# KiCad board Mainboard.kicad_pcb (continued)
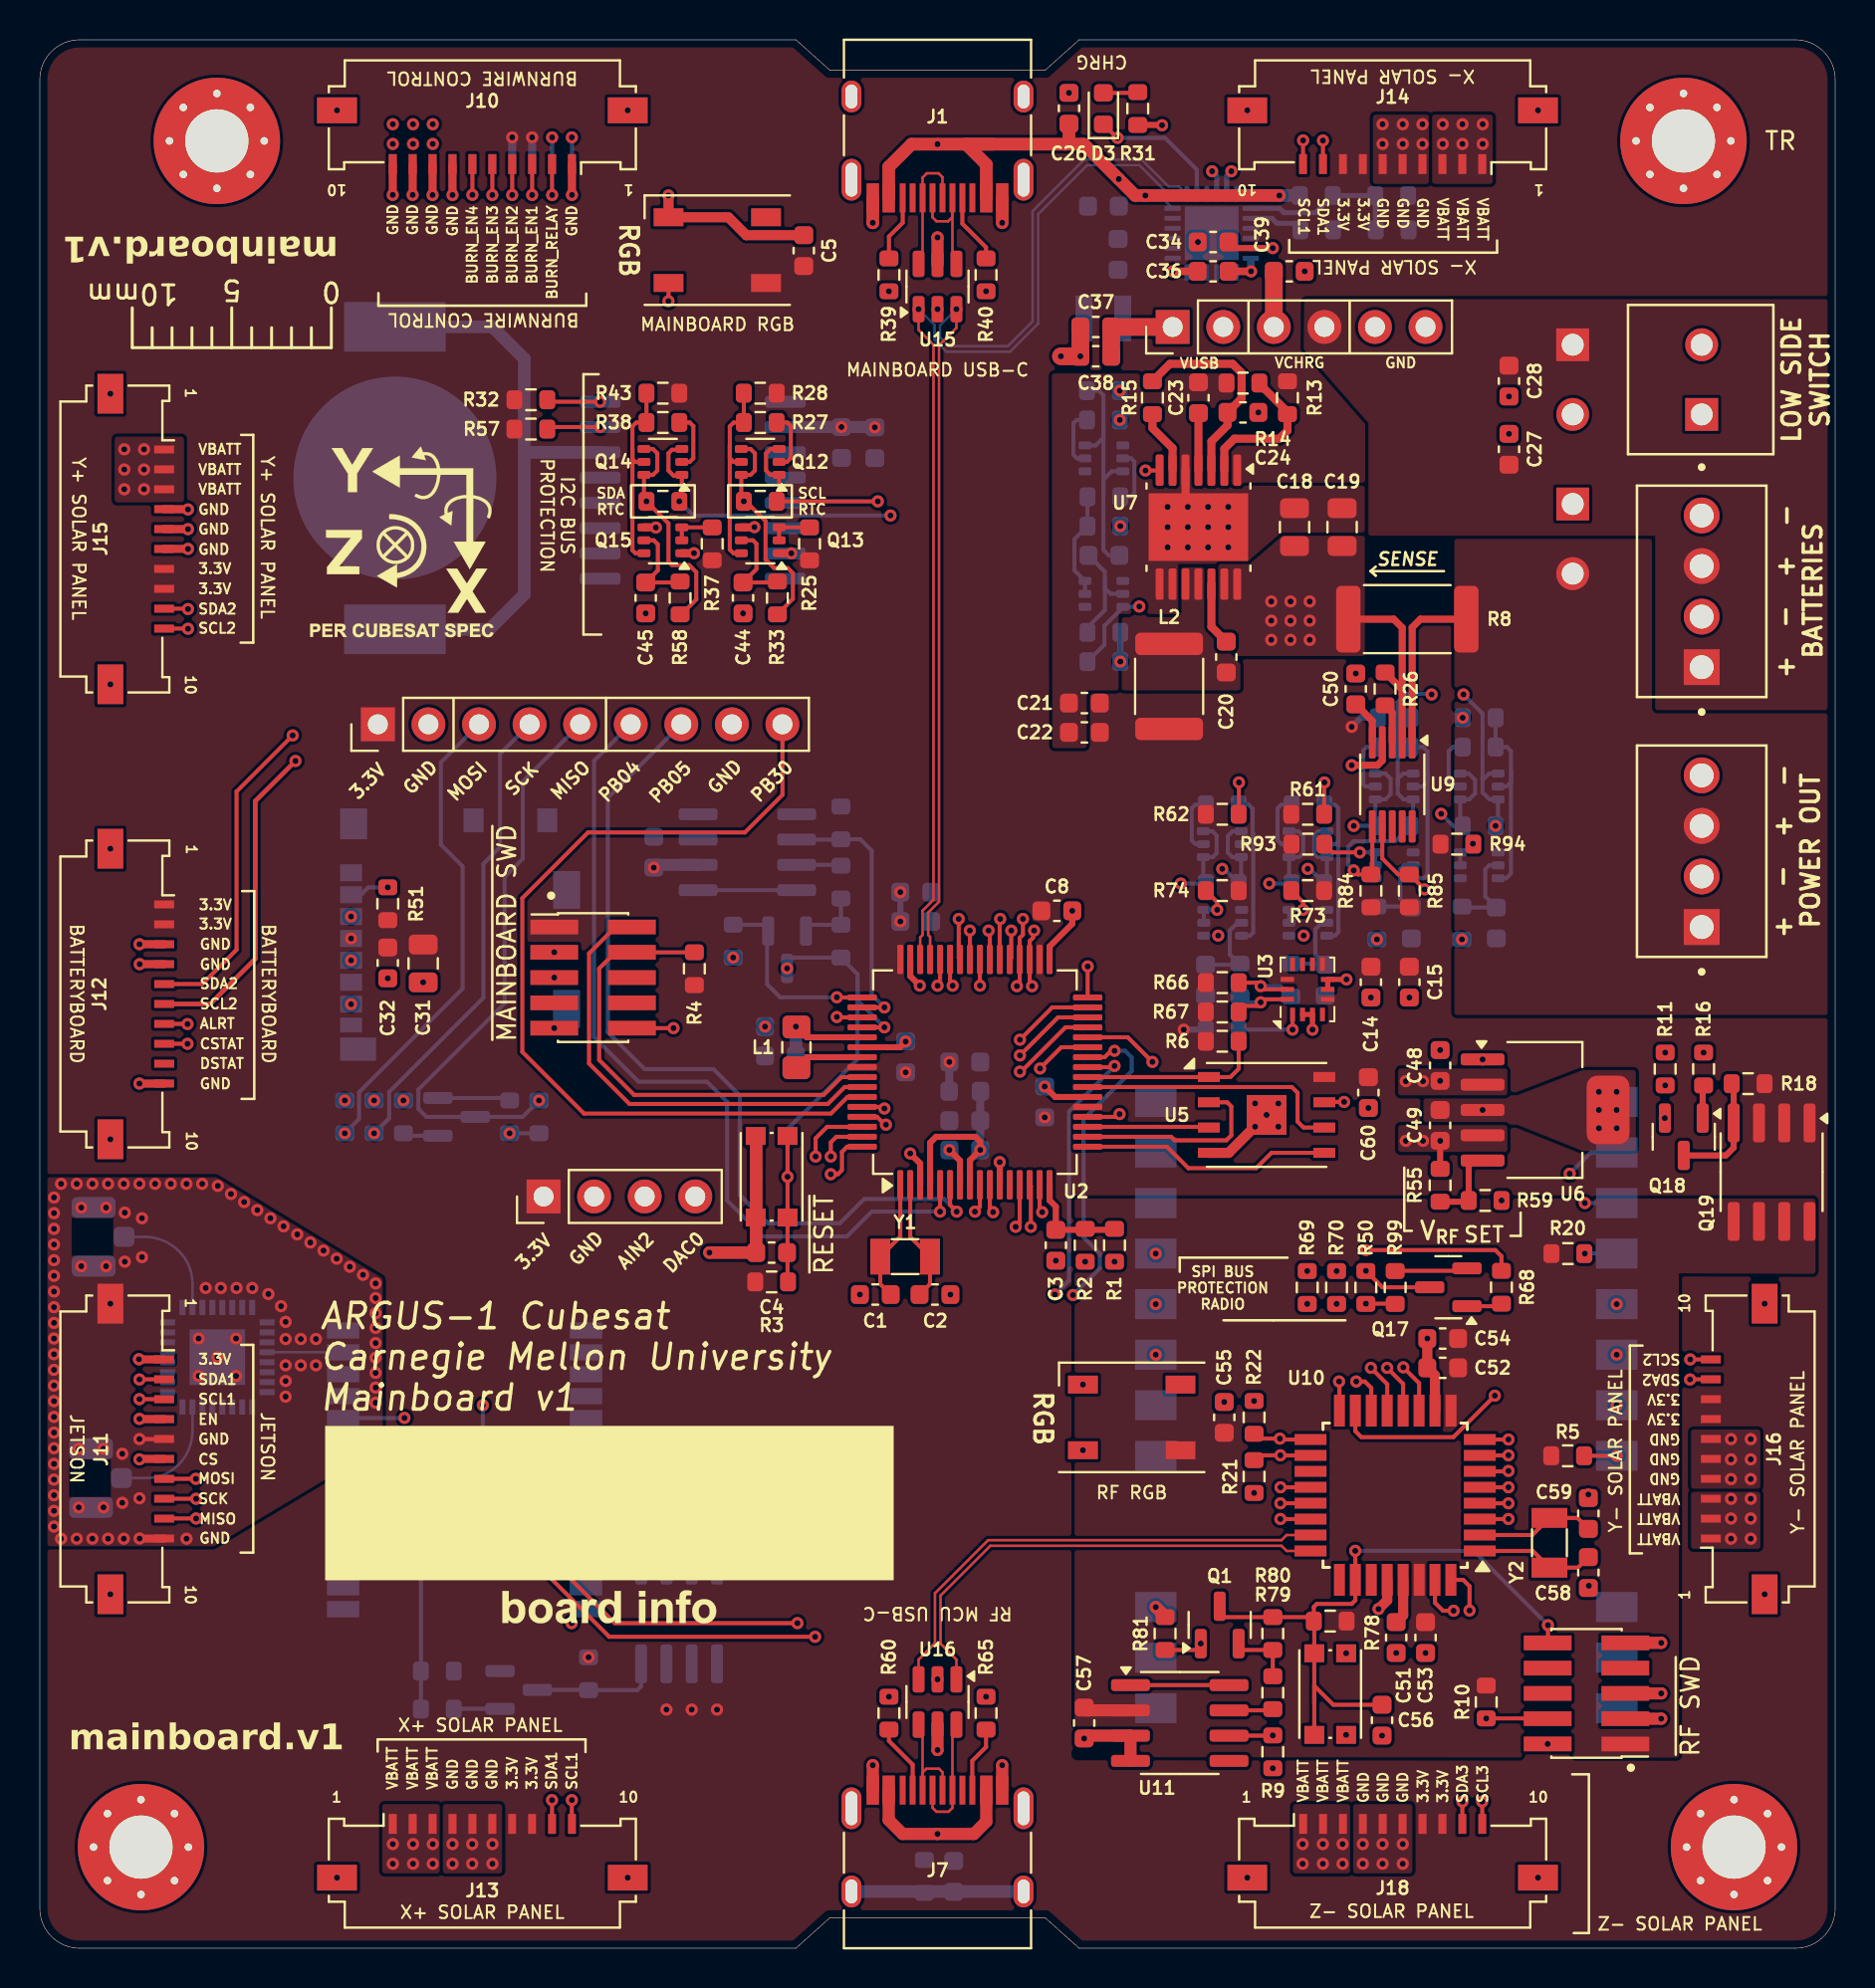
[diagram p0: board, top side]
## Routing (per net, layer and track width the routed paths; a pad name or vN(x,y) marks a point on that pad's centre or on a via; arc(x,y) is an arc through that point) (continued)
GPS_TX: length 25.9
  Top w0.203: U2.63 40.01,40.77 39.73,40.49 v1(39.73,39.78)
  Route2 w0.203: v1(39.73,39.78) 40.23,39.78 40.46,39.55 40.46,38.65 35.66,33.85 35.66,23.7 33.53,21.56 v1(31.69,21.56)
GPS_VDD: length 2.2
  Bottom w0.203: Q23.8 R24.2
IMU_SCL: length 15.9
  Top w0.203: U3.13 61.48,48.18 v1(61.32,48.34) 61.14,48.51 R66.2
  Route2 w0.203: v1(61.32,48.34) 61.32,51.87 v1(63.68,54.23)
  Bottom w0.203: R97.1 63.78,54.23 v1(63.68,54.23) ; Q4.4 64.23,56.12 64.01,55.91 64.01,54.99 64.18,54.82 Q4.6 64.64,53.62 ; v1(61.32,48.34) 62.31,48.34 R75.1
IMU_SDA: length 15.7
  Top w0.203: U3.14 61.47,47.68 v1(61.32,47.52) 61.14,47.35 60.52,47.35 R67.2
  Route2 w0.203: v1(61.32,47.52) 60.55,48.29 60.55,53.06 v1(59.39,54.23)
  Bottom w0.203: v1(61.32,47.52) 60.57,47.52 ; 60.34,53.62 Q6.6 59.88,54.82 59.66,55.04 59.66,55.88 59.91,56.12 Q6.4 ; v1(59.39,54.23) 59.47,54.23 R98.1
JETSON_CS: length 61.9
  Top w0.203: U2.10 47.71,37.15 v1(47.88,36.98) ; v1(5,24.56) 5.02,24.58
  Top w0.406: 5.02,24.58 J11.6
  Route2 w0.203: v1(5,24.56) 10.06,24.56 15.67,18.95 41,18.95 46.28,24.23 46.28,28.04 47.88,29.64 v1(47.88,36.98)
JETSON_EN: length 61.3
  Top w0.203: v1(46.96,37.01) 47.21,37.26 U2.9
  Top w0.305: v1(5,26.59) 5.02,26.58
  Top w0.406: 5.02,26.58 J11.4
  Route2 w0.203: v1(5,26.59) 5.89,25.7 9.86,25.7 15.95,19.61 40.77,19.61 45.62,24.46 45.62,28.37 46.96,29.72 v1(46.96,37.01)
JETSON_MISO: length 62.4
  Top w0.203: v1(7.85,21.59) 6.25,21.59 ; v1(50.34,36.98) 50.21,37.11 U2.15
  Route2 w0.203: v1(50.34,36.98) 50.35,36.97 50.35,29.27 48.13,27.05 48.13,23.34 41.81,17.02 14.78,17.02 10.21,21.59 v1(7.85,21.59)
JETSON_MOSI: length 60.6
  Top w0.203: U2.13 49.21,36.45 v1(49.01,36.25) ; v1(7.84,23.58) J11.7
  Route2 w0.203: v1(49.01,36.25) 49.01,29.81 46.94,27.74 46.94,23.98 41.25,18.29 15.39,18.29 10.1,23.58 v1(7.84,23.58)
JETSON_SCK: length 61.4
  Top w0.203: v1(49.77,36.25) 49.77,38.3 U2.14 ; v1(7.85,22.58) 6.25,22.58
  Route2 w0.203: v1(7.85,22.58) 10.21,22.58 15.11,17.68 41.55,17.68 47.52,23.65 47.52,27.41 49.77,29.66 v1(49.77,36.25)
MISO: length 87.7
  Top w0.203: v1(66.6,34.03) 67.43,33.21 Q17.3 ; U2.31 50.85,47.27 v1(49.23,45.65)
  Route2 w0.203: v1(49.23,45.65) 48.11,44.53 48.11,43.64 ; v1(66.6,34.03) 65.74,33.17 63.09,33.17 60.66,35.61 53.34,35.61 48.11,40.84 48.11,43.64 ; 48.11,43.64 47.22,42.75 25.22,42.75 v1(25.07,42.59)
  Bottom w0.203: 25.07,42.62 v1(25.07,42.59) 24.24,41.77 Q16.3 19.42,41.77 19.01,42.17 19.01,43.14 23.34,47.47 23.34,53.82 24.26,54.74 24.26,58.61 J19.5
MOSI: length 92.2
  Top w0.203: v1(49.23,44.04) 49.29,44.04 51.51,46.27 U2.29
  Route2 w0.203: v1(65.13,34.02) 62.37,36.78 53.77,36.78 49.23,41.33 v1(49.23,44.04) 50.57,45.39 50.57,46.46 50.24,46.79 48.44,46.79 46.61,44.96 46.61,44.12 46.47,43.98 44.89,43.98 44.02,44.86 42.9,44.86 42.06,44.02 24.38,44.02 22.15,41.78 16.16,41.78 v1(15.32,40.94)
  Bottom w0.203: v1(15.32,40.94) 16.03,41.66 16.03,43.01 21.23,48.21 21.23,54.36 20.14,55.45 20.14,59.58 J19.3
PB04: length 42.8
  Top w0.203: U2.5 45.21,37.01 v1(45.21,37.01)
  Bottom w0.203: v1(45.21,37.01) 41.78,37.01 40.54,35.76 36.32,35.76 34.52,37.57 34.52,42.52 33.5,43.54 30.07,43.54 27.84,45.77 27.84,59.65 J19.6
PB05: length 43.7
  Top w0.203: v1(46.05,37.01) 45.71,37.34 U2.6
  Bottom w0.203: v1(46.05,37.01) 45.42,37.64 41.4,37.64 40.18,36.42 36.58,36.42 35.15,37.85 35.15,42.85 33.83,44.17 30.38,44.17 28.52,46.02 28.52,57.8 J19.7
PB30: length 45.2
  Top w0.203: U2.59 40.56,42.77 39.73,41.94 27.33,41.94 24.23,45.03 24.23,52.76 27.53,56.06 35.41,56.06 37.3,57.95 J19.9
PWR_SCL: length 58.7
  Top w0.203: v1(65.99,54.15) 66.19,53.95 R84.2 ; U9.6 66.92,54.02
  Route2 w0.203: v1(59.84,89.28) 63.96,89.28 66.75,86.49 70.05,86.49 70.79,85.75 70.79,63.88 v1(69.9,62.99) ; v1(65.99,54.15) 65.99,51.85 v1(67.16,50.69)
  Bottom w0.203: Q8.4 68.47,59.02 68.2,58.75 68.2,58.47 ; v1(65.99,54.15) 65.71,54.43 65.71,55.35 65.98,55.62 68.07,55.62 R23.1 ; 68.97,56.51 Q8.6 68.49,57.72 68.2,58.01 68.2,58.47 ; v1(69.9,62.99) 69.88,63.02 68.61,63.02 68.19,62.6 68.19,59.88 68.2,59.88 68.2,58.47
  Bottom w0.254: v1(59.84,89.28) 59.61,89.05 U8.5
PWR_SDA: length 62.7
  Top w0.203: R85.2 68.23,53.95 67.42,54.75 U9.7 ; 68.8,53.95 v1(69.55,53.2)
  Route2 w0.203: v1(73.11,56.39) 73.11,54.88 71.42,53.19 ; 71.42,53.19 71.42,51.32 v1(69.55,53.2) ; 71.42,53.19 v1(71.42,50.69) ; v1(58.88,89.28) 59.61,90.02 64.21,90.02 67.06,87.17 70.38,87.17 71.5,86.06 v1(71.5,62.99)
  Bottom w0.203: v1(71.5,62.99) 72.46,62.03 72.46,61.36 72.47,61.35 72.47,60.83 72.46,60.82 72.46,58.85 ; 72.46,58.85 72.46,58.71 72.47,58.7 72.79,59.02 Q10.4 ; 72.46,58.85 72.46,58.07 72.81,57.72 Q10.6 73.24,56.51
  Bottom w0.254: v1(58.88,89.28) 59.11,89.05 U8.4
RF_3.3V: length 2.2
  Top w0.61: U11.2 52.59,11.95
RF_BUSY: length 21.9
  Top w0.203: v1(73.76,22.35) 72.33,22.35
  Route2 w0.203: v1(77.6,37.44) 78.36,36.68 78.36,29.97 76.35,27.97 75.13,27.97 73,25.83 73,22.68 73.33,22.35 v1(73.76,22.35)
  Bottom w0.203: v1(77.6,37.44) U12.14
RF_CS: length 9.2
  Top w0.203: R5.2 v1(79.2,24.74) ; v1(73.76,23.16) U10.5
  Route2 w0.203: v1(79.2,24.74) 75.34,24.74 v1(73.76,23.16)
RF_IO1: length 25.2
  Top w0.203: U10.15 66.07,25.98 66.37,25.68 70.99,25.68 v1(73.08,27.76)
  Route2 w0.203: v1(73.08,27.76) 74.65,29.34 75.72,29.34 76.84,30.45 v1(76.84,38.91)
  Bottom w0.203: U12.13 77.9,39.98 v1(76.84,38.91)
RF_IO2: length 14
  Top w0.203: 65.27,27.01 65.27,28.45 v1(65.25,28.47)
  Route2 w0.203: v1(65.25,28.47) 65.25,29.54 59.89,34.9 v1(56.05,34.9)
RF_MISO: length 17.3
  Top w0.203: v1(73.76,23.98) 73.74,23.96 U10.6
  Route2 w0.203: v1(79.2,32.36) 80.34,32.36 81.23,31.47 81.23,26.52 80.26,25.55 75.34,25.55 73.76,23.98 v1(73.76,23.98)
RF_MOSI: length 12.9
  Top w0.203: v1(73.76,24.77) 73.75,24.76 U10.7
  Route2 w0.203: v1(79.2,29.82) 80.01,29.82 80.39,29.44 80.39,26.87 79.88,26.37 75.36,26.37 v1(73.76,24.77)
RF_RST: length 20.2
  Top w0.203: v1(73.76,21.56) 73.76,21.56 U10.3
  Route2 w0.203: v1(77.6,34.9) 77.6,30.28 76,28.68 74.83,28.68 72.36,26.21 72.36,22.25 73.05,21.56 v1(73.76,21.56)
  Bottom w0.203: v1(77.6,34.9) U12.15
RF_RXEN: length 12.9
  Top w0.203: 61.24,24.77 v1(62.31,24.77) 62.31,24.76 U10.18
  Route2 w0.203: v1(56.05,29.82) 56.05,26.53 56.03,26.52 57.78,24.77 v1(62.31,24.77)
RF_SCK: length 7.6
  Top w0.203: v1(73.76,25.56) U10.8
  Route2 w0.203: v1(73.76,25.56) 75.48,27.28 v1(79.2,27.28)
RF_TXEN: length 14.1
  Top w0.203: U10.17 62.33,25.56 v1(62.28,25.6) ; 61.21,25.6 61.99,25.6
  Route2 w0.203: v1(62.28,25.6) 58.22,25.6 56.97,26.85 56.97,31.43 v1(56.05,32.36)
RF_VDD: length 1.4
  Top w0.305: R55.1 v1(70.33,40.56)
  vias: v1(68.61,40.56) v1(69.47,40.56)
RTC_SCL: length 25.4
  Top w0.203: 35.33,72.69 35.46,72.69 36.45,71.7 36.45,69.77 36.88,69.34 37.57,69.34 37.82,69.09 37.82,67.79 R33.1 ; Q12.4 35.7,75.33 35.92,75.11 35.92,74.24 35.7,74.03 Q12.6 35.23,72.82 ; R32.2 25.59,77.7 v1(28.14,77.7)
  Route2 w0.203: v1(28.14,77.7) 34.29,77.7 35.36,76.63 v1(35.36,72.69)
RTC_SDA: length 19.2
  Top w0.203: v1(28.14,76.43) 25.59,76.43 ; 32.22,67.02 32.97,67.77 32.97,69.14 32.61,69.49 31.75,69.49 31.57,69.67 31.57,71.59 v1(30.47,72.69) ; 30.34,72.77 Q14.6 30.8,74.03 31.01,74.24 31.01,75.11 30.8,75.33 Q14.4
  Route2 w0.203: v1(28.14,76.43) 29.44,76.43 30.47,75.4 v1(30.47,72.69)
SAMD21_SWC: length 11.4
  Top w0.203: v1(71.01,16.95) 70.47,16.95 70.07,17.35 U10.31 ; v1(72.64,11.54) 75.72,11.54
  Route2 w0.203: v1(71.01,16.95) 71.01,16.85 72.64,15.21 v1(72.64,11.54)
SAMD21_SWD: length 11.7
  Top w0.203: v1(71.81,16.97) 71.81,18.19 71.48,18.51 U10.32
  Route2 w0.203: v1(71.81,16.97) 73.3,15.47 73.3,10.79 73.84,10.26 v1(75.73,10.26)
SAMD21_WDT_EN: length 12
  Top w0.203: U10.21 62.31,22.36 v1(62.31,22.35) ; 58.31,14.98 R81.1
  Route2 w0.203: v1(58.31,15.3) 58.31,18.36 62.07,22.12 62.08,22.12 v1(62.31,22.35)
SAMD21_WDT_WDI: length 14.7
  Top w0.203: U11.6 61.91,10.68 ; U10.22 62.31,21.56 v1(62.31,21.56)
  Route2 w0.203: v1(61.93,10.69) 61.93,21.18 v1(62.31,21.56)
SCK: length 87.5
  Top w0.203: v1(49.23,44.86) 51.14,46.77 U2.30
  Route2 w0.203: v1(16.79,40.94) 22.27,40.94 24.71,43.38 46.91,43.38 47.24,43.71 47.24,44.75 48.74,46.25 49.81,46.25 49.99,46.08 49.99,45.62 v1(49.23,44.86) 48.67,44.3 48.67,41.12 53.57,36.22 61.46,36.22 v1(63.65,34.02)
  Bottom w0.203: J19.4 23.11,60.01 23.11,55.32 22.28,54.48 22.28,47.75 17.55,43.02 17.55,41.7 v1(16.79,40.94)
SCL1: length 185.9
  Top w0.203: v1(38.94,15.65) 28.6,15.65 24.08,20.17 v1(22.81,20.17) ; v1(5,27.58) 6.24,27.58 ; v1(26.72,7.44) 26.72,6.25 ; v1(53.97,45.09) 53.8,45.09 53.48,44.77 U2.26 ; J14.10 63.44,90.83 v1(63.45,90.83)
  Route2 w0.203: v1(5,27.58) 6.2,26.39 9.96,26.39 16.18,20.17 v1(22.81,20.17) ; v1(51.89,32.82) 51.66,32.59 51.66,28.68 49.45,26.47 49.45,22.76 42.34,15.65 v1(38.94,15.65) 31.47,15.65 26.59,10.77 26.59,7.57 v1(26.72,7.44) ; v1(53.97,45.09) 60.66,45.09 62.05,46.48 62.05,51.56 64.39,53.9 64.39,55.65 65.13,56.39 v1(65.99,56.39) ; v1(63.45,90.83) 64.11,91.49 64.69,91.49 67.69,88.49 71.07,88.49 72.95,86.61 72.95,58.62 70.71,56.39 v1(65.99,56.39) ; v1(65.99,56.39) 62.46,56.39 61.75,55.68 v1(61.75,53.49)
  Bottom w0.203: Q8.3 67.57,59.02 67.84,58.75 67.84,57.99 67.57,57.72 Q8.1 67.07,56.51 ; v1(53.97,45.09) 54.5,45.09 54.84,44.75 54.84,44.07 52.43,41.66 52.43,35.71 53.24,34.9 53.24,34.16 v1(51.89,32.82) ; R23.2 v1(65.99,56.39) ; 62.74,53.62 Q4.1 63.26,54.82 63.45,55.02 63.45,55.88 63.21,56.12 Q4.3 ; R97.2 v1(61.75,53.49)
SCL2: length 123.7
  Top w0.203: v1(7.44,66.29) 7.43,66.3 J15.10 ; v1(45.09,48.36) 45.21,48.49 U2.44 ; v1(82.89,29.58) J16.10
  Top w0.235: v1(12.84,59.65) 10.82,57.63 10.82,49.71 8.56,47.44 J12.6
  Route2 w0.203: v1(82.89,29.58) 82.56,29.58 81.79,30.35 81.79,31.67 79.3,34.16 79.3,37.69 77.32,39.67 76.2,39.67 75.56,39.04 54.64,39.04 52.25,41.43 52.25,47.83 50.95,49.12 48.9,49.12 48.41,48.64 48.41,47.65 47.57,46.81 45.72,46.81 45.09,47.45 v1(45.09,48.36) 45.09,49.1 44.37,49.81 41.17,49.81 33.05,57.94 14.55,57.94 v1(12.84,59.65) 11.38,61.11 11.38,65.3 10.24,66.45 7.59,66.45 v1(7.44,66.29)
SCL3: length 122.8
  Top w0.203: 37.13,72.82 Q12.1 36.69,74.03 36.47,74.24 36.47,75.11 36.69,75.33 Q12.3 ; v1(49.38,51.71) 49.38,50.92 49.21,50.76 U2.36 49.21,48.48 v1(49.07,48.34) ; R45.2 v1(42.09,72.69) ; v1(72.44,7.37) 72.44,7.36 J18.10
  Route2 w0.203: v1(26.72,90.98) 26.72,89.41 29.18,86.94 32.82,86.94 40.82,78.94 40.82,76.2 40.82,76.2 40.82,75.95 42.09,74.68 v1(42.09,72.69) 42.09,60.3 49.38,53.01 v1(49.38,51.71) ; v1(49.07,48.34) 49.07,47.93 49.4,47.6 50.47,47.6 51.13,46.94 51.13,41.05 54.25,37.92 64.74,37.92 69.13,33.54 69.13,16.88 71.22,14.78 71.22,10.82 72.44,9.6 v1(72.44,7.37)
  Bottom w0.203: J17.10 26.73,90.98 v1(26.72,90.98)
SD_CS: length 37.8
  Top w0.203: U2.51 40.05,46.77 v1(40.03,46.79)
  Route2 w0.203: v1(17.48,53.3) 18.26,52.51 v1(18.26,42.59) 21.92,42.59 23.95,44.63 37.87,44.63 v1(40.03,46.79)
  Bottom w0.203: J8.2 16.13,52.93 16.5,53.3 v1(17.48,53.3)
SD_MISO: length 18.4
  Route2 w0.203: v1(15.63,47.43) 15.63,44.18 14.35,42.9 14.35,40.89 15.01,40.23 22.89,40.23 v1(23.6,40.94)
  Bottom w0.203: R54.1 v1(23.6,40.94)
SD_MOSI: length 10.5
  Route2 w0.203: v1(15.32,42.59) 16.23,43.51 16.23,47.96 14.81,49.38 14.81,51.01 v1(15.63,51.83)
SD_SCK: length 7.5
  Route2 w0.203: v1(16.79,42.59) 16.79,48.47 v1(15.63,49.63)
SDA1: length 176.1
  Top w0.203: v1(64.44,90.83) J14.9 ; v1(22.81,20.92) 24.3,20.92 28.88,16.33 v1(38.05,16.33) ; v1(5,28.57) 5.01,28.58 J11.2 ; v1(25.73,7.44) J13.9 ; U2.25 53.92,44.27 v1(53.97,44.33)
  Route2 w0.203: v1(64.44,90.83) 67.41,87.86 70.71,87.86 72.24,86.33 72.24,58.85 v1(70.38,57) 58.6,57 57.3,55.7 v1(57.3,53.49) 57.3,47.12 56.13,45.95 53.77,45.95 53.34,45.52 53.34,44.63 53.64,44.33 v1(53.97,44.33) ; v1(50.98,32.84) 50.98,28.98 48.77,26.77 48.77,23.05 42.05,16.33 v1(38.05,16.33) 31.22,16.33 25.88,11 25.88,7.6 v1(25.73,7.44) ; v1(22.81,20.92) 16.42,20.92 10.29,27.05 6.53,27.05 v1(5,28.57)
  Bottom w0.203: R44.2 70.99,56.39 v1(70.38,57) ; 71.34,56.51 Q10.1 71.79,57.72 72.09,58.01 72.09,58.7 71.77,59.02 Q10.3 ; v1(53.97,44.33) 51.69,42.04 51.69,33.55 v1(50.98,32.84) ; 58.44,53.62 Q6.1 58.91,54.82 59.11,55.02 59.11,55.91 58.89,56.12 Q6.3 ; v1(57.3,53.49) R98.2
SDA2: length 127.2
  Top w0.203: v1(45.85,48.36) 45.71,48.49 U2.43 ; J16.9 82.89,28.58 v1(82.88,28.57) ; J12.5 8.16,48.44 9.88,50.16 9.88,58.12 v1(12.7,60.93) ; v1(7.44,67.28) 7.42,67.3 J15.9
  Route2 w0.203: v1(82.88,28.57) 83.49,28.57 83.92,29.01 83.92,29.97 83.41,30.48 82.52,30.48 82.35,30.66 82.35,31.93 79.88,34.39 79.88,37.97 77.6,40.26 75.97,40.26 75.31,39.6 54.84,39.6 52.81,41.63 52.81,48.11 51.21,49.71 48.62,49.71 47.88,48.97 47.88,47.93 47.32,47.37 46.08,47.37 45.85,47.6 v1(45.85,48.36) 45.85,49.35 44.68,50.52 41.38,50.52 33.32,58.57 15.06,58.57 v1(12.7,60.93) 12.04,61.59 12.04,65.63 10.54,67.13 7.59,67.13 v1(7.44,67.28)
SDA3: length 134.8
  Top w0.203: 32.24,72.77 32.24,73.99 31.83,73.99 31.57,74.24 31.57,75.11 31.75,75.29 32.24,75.29 ; v1(49.83,48.34) 49.71,48.46 U2.35 49.71,50.6 49.89,50.77 49.89,51.08 v1(49.94,51.13) ; v1(71.45,7.37) 71.44,7.36 J18.9
  Route2 w0.203: v1(49.83,48.34) 50.75,48.34 51.66,47.42 51.66,41.22 54.41,38.48 65.1,38.48 69.77,33.81 69.77,31.67 70.33,31.11 70.33,30.28 69.7,29.64 69.7,17.23 71.93,15 71.93,11.15 73.3,9.78 73.3,6.91 72.9,6.5 71.81,6.5 71.45,6.86 v1(71.45,7.37) ; v1(49.94,51.13) 49.94,53.24 42.72,60.45 v1(42.72,71.98) 42.72,74.75 41.38,76.1 41.38,79.14 33.05,87.48 29.46,87.48 27.51,89.43 27.51,91.24 27.05,91.69 26.44,91.69 v1(25.73,90.98)
  Bottom w0.203: v1(32.12,72.69) 32.83,71.98 v1(42.72,71.98) ; J17.9 25.73,90.98 v1(25.73,90.98)
STAT: length 6.9
  Top w0.203: v1(54.13,90.96) 54.1,90.96 D3.1
  Bottom w0.203: U8.2 58.11,89.37 56.52,90.96 v1(54.13,90.96)
SWCLK: length 23.2
  Top w0.203: U2.57 40.26,43.77 39.37,42.88 29.84,42.88 28.09,44.63 28.09,49.22 28.91,50.04 ; J9.4 R4.2
SWDIO: length 22.3
  Top w0.203: 28.91,51.31 27.58,49.98 27.58,44.45 29.62,42.42 39.57,42.42 40.42,43.27 U2.58
TS: length 8.4
  Bottom w0.254: 67.07,86.36 R35.2 R34.2 64.07,87.2 62.48,87.2 62.27,87.41 U8.7
UHF_CS: length 41.9
  Top w0.203: R68.2 73.41,34.77 73.1,35.08 v1(66.6,35.08) ; v1(50.24,44.2) 51.3,45.27 U2.27 ; v1(68.48,29.18) 69.27,28.39 69.27,27.01
  Route2 w0.203: v1(68.48,29.18) 68.48,33.2 v1(66.6,35.08) 64.31,37.36 54.05,37.36 50.4,41.01 50.4,41.02 49.86,41.56 49.86,43.83 v1(50.24,44.2)
UHF_EN: length 31.8
  Top w0.203: v1(55.88,44.53) 54.64,45.77 U2.28
  Route2 w0.203: v1(83.56,45) v1(81.63,45) 72.81,45 v1(72.46,44.66) 72.18,44.37 56.04,44.37 v1(55.88,44.53)
UHF_MISO: length 7.6
  Top w0.203: v1(67.67,29.16) 68.47,28.35 U10.12 ; v1(66.6,32.38) 68.07,32.38
  Route2 w0.203: v1(66.6,32.38) 67.67,31.32 v1(67.67,29.16)
UHF_MOSI: length 6.4
  Top w0.203: v1(66.85,29.16) 67.67,28.34 U10.13
  Route2 w0.203: v1(66.85,29.16) 66.85,30.65 v1(65.13,32.37)
UHF_SCK: length 6.9
  Top w0.203: v1(66.12,28.47) 66.55,28.47 66.87,28.15 U10.14
  Route2 w0.203: v1(66.12,28.47) 66.12,29.91 v1(63.65,32.37)
USB_D1+: length 55.6
  Top w0.128: v1(44.14,82.35) 44.14,81.31 44.88,80.56 44.88,52.68 44.34,52.13 44.34,50.91 44.21,50.79 U2.46
  Bottom w0.128: v1(44.14,82.35) 44.93,81.55 44.93,80.81 45.53,80.21 48.73,80.21 50.14,81.62 50.14,87.12 52.6,89.59 55.22,89.59 56.46,88.35 56.46,87.85 U8.24
USB_D1-: length 55.5
  Top w0.128: v1(46.03,82.35) 46.03,81.41 45.16,80.54 45.16,52.58 44.62,52.03 44.62,50.91 44.71,50.81 U2.45
  Bottom w0.128: U8.1 57.21,88.52 56.68,88.52 55.34,89.87 52.45,89.87 49.86,87.27 49.86,81.74 48.62,80.49 45.64,80.49 45.21,80.92 45.21,81.53 v1(46.03,82.35)
USB_D2+: length 24.3
  Top w0.128: U10.24 62.62,19.96 62.36,20.22 47.74,20.22 45.24,17.72 45.24,15.3 46.03,14.5 U16.1
USB_D2-: length 24.7
  Top w0.128: U16.3 44.14,14.5 44.96,15.32 44.96,17.83 47.62,20.5 62.36,20.5 62.62,20.76 U10.23
VSYS: length 35.5
  Top w0.356: R26.1 68.42,63.24 68.42,62.99 ; 68.42,62.99 U9.2 ; 68.42,62.99 68.42,66.35 68,66.78 R8.1
  Route2 w0.305: 54.27,70.87 54.27,74.87 55.6,76.2 55.6,77.72 55.07,78.26 v1(54.24,78.26) ; 54.27,70.87 54.27,66.95 ; 54.27,70.87 v1(54.27,71.45) ; 54.27,66.95 55.49,65.74 v1(61.85,65.74) ; 54.27,66.95 v1(54.27,64.64)
  Bottom w0.305: R47.1 v1(54.27,64.64)
  vias: v1(61.85,67.67) v1(61.85,66.7) v1(62.81,67.67) v1(62.81,66.7) v1(62.81,65.74) v1(63.78,67.67) v1(63.78,66.7) v1(63.78,65.74) v1(68.61,43.56) v1(69.47,43.56) v1(70.33,43.58)
WDT_EN: length 9.4
  Top w0.203: v1(40.03,47.78) 40.04,47.77 U2.49
  Bottom w0.203: 36.53,51.05 36.53,48.44 37.19,47.78 v1(40.03,47.78) ; R90.1 36.56,51.42
WDT_WDI: length 13.3
  Top w0.203: v1(42.42,47.27) U2.50
  Bottom w0.203: U1.6 40.22,55.7 ; v1(42.42,47.27) 41.78,47.9 41.78,55.14 41.21,55.72 R7.1
~{RESET}: length 35.8
  Top w0.203: SW1.1 v1(37.55,38.76) 37.55,33.5 ; v1(42.42,46.27) U2.52 ; J9.10 v1(31.83,46.23)
  Route2 w0.203: v1(31.83,46.23) 34.53,46.23 v1(37.53,49.23)
  Bottom w0.203: v1(37.55,38.76) 37.55,41.16 41.07,44.68 41.07,48.56 ; 37.55,49.77 R89.1 41.07,48.93 41.07,48.56 ; v1(42.42,46.27) 41.07,47.61 41.07,48.56
~{SAMD21_RST}: length 32.4
  Top w0.203: 63.78,16.63 R80.1 59.31,16.63 ; 64.01,12.29 64.01,13.18 64.96,12.23 C56.2 ; 64.01,12.29 64.01,16.41 R78.2 63.98,17.15 64.14,17.3 65.89,17.3 66.07,17.48 U10.26 66.07,19.96 v1(66.07,19.96) ; 64.01,12.29 SW2.1 ; v1(75.74,16.23) 75.74,15.36
  Bottom w0.203: v1(66.07,19.96) 72.01,19.96 v1(75.74,16.23)
Net-(BT1-+): length 30
  Bottom w0.635: 24.33,75.18 24.36,75.16 U4.14 ; 24.33,75.18 24.33,68.02 22.58,66.26 BT1.1 ; 24.33,75.18 24.33,79.86 22.73,81.46 BT1.1
Net-(D3-A): length 1.7
  Top w0.203: D3.2 55.11,93.22
Net-(J1-CC1): length 3.5
  Top w0.203: R40.2 47.52,85.46 46.34,86.65 J1.A5
Net-(J1-CC2): length 3.3
  Top w0.203: J1.B5 43.34,86.69 42.65,86 R39.2
Net-(J5-Pin_2): length 4.5
  Route15 w1.651: J6.1 J5.2
Net-(J7-CC1): length 3.5
  Top w0.203: 42.65,10.99 42.65,10.41 43.84,9.23 J7.A5
Net-(J7-CC2): length 3.3
  Top w0.203: 47.52,10.99 47.52,10.11 46.84,9.42 J7.B5
Net-(J7-SHIELD): length 8.6
  Bottom w0.635: J7.S1 J7.S1
Net-(J21-Pin_1): length 4.6
  Top w0.889: J21.1 C37.2 C38.2
Net-(J21-Pin_3): length 2.8
  Top w0.889: C39.2 J21.3
Net-(J22-In): length 6.1
  Bottom w0.13: J22.1 5.36,23.62 arc(6.23,23.79) 6.96,24.28 arc(7.48,25.06) 7.67,25.98 U14.15
Net-(J23-In): length 6
  Bottom w0.13: U14.26 7.67,33.39 arc(7.49,34.27) 6.99,35.02 arc(6.19,35.56) 5.25,35.74 J23.1
Net-(Q1-S): length 3
  Top w0.203: R79.1 R80.2 60.21,14.98
Net-(Q2A-B1): length 5.4
  Bottom w0.203: R77.2 R30.2 51.96,70.8 51.96,69.23 Q2.3 Q2.2
Net-(Q2B-B2): length 5.7
  Bottom w0.203: 52.62,66.36 53.49,67.23 53.49,68.73 ; 53.49,68.73 53.49,68.33 53.77,68.05 Q2.5 ; 53.49,68.73 53.49,69.15 C25.2
Net-(Q3A-B1): length 3
  Bottom w0.203: Q3.2 54.81,74.85 54.97,74.7 54.97,73.11 54.79,72.92 R77.1
Net-(Q3A-C1): length 13.2
  Bottom w0.203: R49.2 53.19,78.26 53.42,78.03 53.42,76.48 ; 53.42,76.48 53.42,75.89 53.02,75.5 Q3.6 ; 53.42,76.48 53.42,76.48 53.42,72.97 ; 53.42,72.97 53.42,73.79 53.83,74.2 Q3.3 ; 53.42,72.97 53.42,70.26 53.7,69.98 C25.1
Net-(Q3B-B2): length 3
  Bottom w0.203: R52.1 52.07,76.78 51.91,76.63 51.91,75.04 52.1,74.85 Q3.5
Net-(Q4A-B1): length 3
  Bottom w0.203: Q4.2 62.36,55.47 62.16,55.67 62.16,57.26 62.36,57.45 R71.1
Net-(Q4B-B2): length 11.5
  Top w0.203: R61.2 64.5,58.56 v1(64.52,58.57)
  Bottom w0.203: v1(64.52,58.57) 64.51,58.57 R71.2 65.05,57.45 65.22,57.29 65.22,56.06 ; Q5.6 65.05,50.87 65.22,51.05 65.22,56.06 ; 65.22,56.06 65.22,55.59 65.1,55.47 Q4.5
Net-(Q5A-G2): length 2.6
  Top w0.203: v1(63.45,52.17) 63.45,52.54 R73.2
  Bottom w0.203: v1(63.45,52.17) 63.45,52.17 Q5.3 Q5.2
Net-(Q5B-G1): length 4.4
  Bottom w0.203: Q5.5 64.39,51.52 64.06,51.19 64.06,49.91 C40.1 ; R75.2 64.5,49.47
Net-(Q6A-B1): length 3.1
  Bottom w0.203: Q6.2 58.04,55.47 57.86,55.66 57.86,57.27 58.04,57.45 R72.1
Net-(Q6B-B2): length 11.4
  Top w0.203: v1(60.22,58.57) 60.22,56.99
  Bottom w0.203: 60.91,56.03 60.94,56.01 60.94,51.03 60.78,50.87 Q7.6 ; 60.91,56.03 60.91,57.25 60.71,57.45 R72.2 60.21,58.56 v1(60.22,58.57) ; 60.91,56.03 60.91,55.68 60.71,55.47 Q6.5
Net-(Q7A-G2): length 2.5
  Top w0.203: v1(59.13,52.17) 59.13,52.57 R74.2
  Bottom w0.203: v1(59.13,52.17) 59.13,52.17 Q7.3 Q7.2
Net-(Q7B-G1): length 4.2
  Bottom w0.203: 58.6,49.42 60.27,49.42 59.77,49.92 59.77,51.13 60.16,51.52
Net-(Q8A-B1): length 3.1
  Bottom w0.203: Q8.2 66.57,58.37 66.47,58.47 66.47,60.19 66.64,60.35 R86.1
Net-(Q8B-B2): length 10.6
  Bottom w0.203: 69.7,58.98 69.7,58.6 69.47,58.37 Q8.5 ; 69.7,58.98 69.7,60.12 69.47,60.35 R86.2 R82.2 ; 69.7,58.98 69.7,53.95 69.5,53.76 Q9.6
Net-(Q9A-G2): length 3.4
  Top w0.203: v1(66.29,55.06) 64.93,55.06 R93.2
  Bottom w0.203: Q9.2 Q9.3 v1(66.29,55.06)
Net-(Q9B-G1): length 4.5
  Bottom w0.203: Q9.5 68.5,54.41 68.33,54.23 68.33,52.73 68.77,52.29 ; R95.2 68.83,52.34
Net-(Q10A-B1): length 3
  Bottom w0.203: Q10.2 70.94,58.37 70.76,58.55 70.76,60.14 70.97,60.35 R87.1
Net-(Q10B-B2): length 10.5
  Bottom w0.203: Q10.5 73.66,58.37 73.89,58.6 73.89,59.13 ; Q11.6 73.65,53.76 73.89,54 73.89,59.13 ; 73.89,59.13 73.89,60.15 73.69,60.35 R87.2 R83.2
Net-(Q11A-G2): length 1.3
  Bottom w0.203: Q11.3 Q11.2 ; 71.54,55.06 v1(71.98,55.49)
Net-(Q11B-G1): length 4.6
  Bottom w0.203: 71.47,52.29 C43.1 72.59,52.84 72.59,54.2 72.8,54.41 Q11.5
Net-(Q12A-B1): length 3.1
  Top w0.203: R27.1 37.54,76.66 37.72,76.48 37.72,74.88 37.52,74.68 Q12.2
Net-(Q12B-B2): length 10.4
  Top w0.203: Q12.5 34.85,74.68 34.65,74.87 34.65,75.49 ; 34.65,75.49 34.65,76.46 34.85,76.66 R27.2 R28.2 ; 34.65,75.49 34.65,70.27 34.84,70.09 Q13.6
Net-(Q13A-G2): length 2.2
  Top w0.203: Q13.2 Q13.3 38.66,71.39
Net-(Q13B-G1): length 4.7
  Top w0.203: 37,68.62 C44.1 35.99,69.29 35.99,70.56 35.81,70.74 Q13.5
Net-(Q14A-B1): length 3.1
  Top w0.203: R38.1 32.64,76.66 32.82,76.47 32.82,74.86 32.64,74.68 Q14.2
Net-(Q14B-B2): length 10.3
  Top w0.203: 29.76,75.34 29.76,74.81 29.9,74.68 Q14.5 ; 29.76,75.34 29.76,76.46 29.96,76.66 R38.2 R43.2 ; 29.76,75.34 29.76,70.24 29.91,70.09 Q15.6
Net-(Q15A-G2): length 2.2
  Top w0.203: 33.77,71.39 Q15.3 Q15.2
Net-(Q15B-G1): length 4.6
  Top w0.203: Q15.5 30.84,70.74 31.04,70.54 31.04,69.23 C45.1 32.11,68.62
Net-(Q16-B): length 1.6
  Bottom w0.203: Q16.1 18.39,40.82
Net-(Q16-E): length 3.5
  Bottom w0.203: Q16.2 23.47,42.72
Net-(Q17-B): length 1.6
  Top w0.203: Q17.1 73.28,32.26
Net-(Q17-E): length 3.5
  Top w0.203: 68.07,34.03 71.55,34.03
Net-(Q18-D): length 5.8
  Top w0.305: 82.59,39.83 84.68,39.83 85.07,40.22 Q19.4 85.07,43.34
Net-(Q18-G): length 1.7
  Top w0.203: 83.52,43.3 R16.2
  Top w0.305: Q18.1 83.52,43.3
Net-(Q21-S): length 3.1
  Bottom w0.203: R42.1 R89.2 38.49,51.42
Net-(Q22-D): length 6.4
  Bottom w0.203: Q22.3 27.55,12.98 ; Q23.4 30.2,13.16 30.01,12.97 R19.2
Net-(Q22-G): length 2.3
  Bottom w0.203: Q22.1 20.8,12.03
Net-(U1-~{MR}): length 4.9
  Bottom w0.203: U1.1 U1.8
Net-(U1-~{RESET}): length 2.2
  Bottom w0.203: U1.7 40.19,54.43
Net-(U2-PA07): length 5
  Top w0.305: 53.62,36.09 C3.1 51.03,37.26 50.71,37.58 U2.16
Net-(U2-VDDCORE): length 5
  Top w0.305: 37.98,46.3 38.52,45.77 U2.53
  Bottom w0.635: v1(37.97,46.3) C11.2
Net-(U2-VSW): length 3.5
  Top w0.305: L1.2 38.53,44.77 U2.55
Net-(U3-SDO): length 3.5
  Top w0.203: v1(62.92,46.15) 62.92,46.91
  Bottom w0.203: R41.2 v1(62.92,46.15)
Net-(U6-SENSE/ADJ): length 3.4
  Top w0.305: R59.1 71.76,39.58 ; R55.2 71.7,37.51
Net-(U7-PG): length 3.2
  Top w0.406: U7.6 56.89,75.37 55.88,76.38 R15.2
Net-(U7-SS): length 2.9
  Top w0.406: U7.4 C23.2
Net-(U7-VBST): length 3.2
  Top w0.406: U7.12 58.84,66.39 C20.2
Net-(U7-VFB): length 7.4
  Top w0.406: U7.2 59.49,75.34 59.99,75.84 62.26,75.84 62.66,76.25 R13.1 ; 62.66,77.19 61.25,78.6
Net-(U7-VREG5): length 10.5
  Top w0.406: U7.3 58.84,75.71 59.65,76.52 C24.1 60.36,77.87 60.36,79.15 59.9,79.6 56.76,79.6 R15.1
Net-(U8-BTST): length 1.7
  Top w0.381: C36.2 v1(60.83,84.25)
  Bottom w0.381: v1(60.83,84.25) 60.83,84.84
Net-(U8-ILIM): length 2.7
  Bottom w0.254: 63.31,86.33 62.98,86.66 62.13,86.66 61.88,86.91 U8.8
Net-(U8-SW_1): length 1.3
  Top w0.381: v1(56.9,84.25) C36.1
Net-(U9-ON): length 2
  Top w0.356: U9.3 67.92,62.09 R26.2
Net-(U9-TIMER): length 2.3
  Top w0.356: U9.5 66.92,61.66 C50.2
Net-(U10-PA00): length 6
  Top w0.203: C58.1 77.25,19.12 Y2.1 74.98,19.96 U10.1
Net-(U10-PA01): length 6
  Top w0.203: U10.2 74.96,20.76 Y2.2 77.22,21.62 C59.1
Net-(U10-VDDCORE): length 2.3
  Top w0.508: C51.1 68.47,16.73 U10.29
Net-(U11-~{MR}): length 5
  Top w0.203: U11.8 U11.1
Net-(U11-~{RESET}): length 2.1
  Top w0.203: U11.7 61.86,11.95
Net-(U13-RSTN): length 21.9
  Route2 w0.203: v1(18.31,26.64) 33.25,26.64 34.06,25.83 v1(34.06,24.31)
  Bottom w0.203: R24.1 34.01,24.26 v1(34.06,24.31) ; v1(18.31,26.64) 18.31,26.64 U13.8
Net-(U13-RXD): length 3.1
  Bottom w0.203: U13.21 28.44,20.34 29.67,21.56 R91.2
Net-(U13-TXD): length 3.3
  Bottom w0.203: U13.20 28.43,21.44 R88.2

## Copper pours and planes (outline as drawn; the poured copper is in the pictures)
3.3V on Top: -0.63,96.65 90.81,96.65 90.81,-0.64 -0.63,-0.64
3.3V on Bottom: 31.01,15.42 34.47,15.42 34.47,11.48 31.01,11.48
GND on Top: 66.95,88.65 66.95,92.13 69.93,92.13 69.93,88.65
GND on Top: 66.55,70.97 62.41,70.97 60.76,69.55 57.18,69.55 57.18,67.03 54.18,67.03 54.18,63.2 52.58,63.2 52.58,60.3 50.85,60.3 50.83,79.12 59.94,79.12 59.94,73.48 66.55,73.48
GND on Top: 74.19,41.38 69.49,41.38 69.49,42.85 74.19,42.85 77.49,44.12 80.16,44.12 80.16,40.06 77.49,40.06
GND on Top: 23.22,7.24 23.22,3.76 20.24,3.76 20.24,7.24
GND on Top: 68.94,7.24 68.94,3.76 65.96,3.76 65.96,7.24
GND on Top: 82.93,26.06 86.41,26.06 86.41,23.09 82.93,23.09
GND on Top, Route15: -0.13,38.73 8.86,38.73 17.22,33.66 17.22,25.27 8.74,20.19 -0.13,20.19
GND on Bottom, Route2: -1.14,97.03 91.31,97.03 91.31,-1.14 -1.14,-1.14
GNDREF on Bottom: 80.65,62.99 64.39,79.38 42.55,79.38 37.97,83.92 37.97,96.14 90.3,96.14 90.3,62.99
VBATT on Top: 82.93,23.09 86.41,23.09 86.41,20.07 82.93,20.07
VBATT on Top: 71.04,70.97 81.13,70.97 81.13,62.2 90.81,62.2 90.81,46.89 71.04,46.89
VBATT on Top: 7.24,72.64 3.76,72.64 3.76,75.95 7.24,75.95
VBATT on Top: 69.93,88.65 69.93,92.13 72.97,92.13 72.97,88.65
VBATT on Top: 20.24,7.24 20.24,3.76 17.2,3.76 17.2,7.24
VBATT on Top: 65.96,7.24 65.96,3.76 62.94,3.76 62.94,7.24
VBATT on Bottom: 20.4,88.65 20.4,92.13 17.09,92.13 17.09,88.65
VBATT on Route15: -1.27,97.16 91.44,97.16 91.44,-1.27 -1.27,-1.27
VBUS1 on Bottom: 57.3,87.12 56.52,87.12 56.29,87.35 56.29,88.32 55.04,89.43 53.29,89.43 53.29,87.15 53.7,86.74 57.3,86.74
GPS_VDD on Bottom: 26.62,19.66 34.65,19.66 34.65,17.73 26.62,17.73
RF_3.3V on Top: 89.18,37.67 51.97,37.67 51.97,9.6 82.32,9.58 82.32,33.91 89.18,33.88
RF_VDD on Top: 73.71,41.35 73.71,40.01 68.22,40.01 68.22,41.35
RF_VDD on Bottom: 54.99,40.74 54.99,36.68 71.02,36.68 71.02,41.4 67.94,41.4 67.94,40.74
VCHRG on Top: 90.81,62.2 81.13,62.2 81.13,70.97 66.73,70.97 66.73,76.63 63.47,80.34 63.5,82.85 90.83,82.85
VSYS on Top: 59.18,69.55 60.76,69.55 62.41,70.97 66.55,70.97 66.55,64.92 59.92,64.92 59.18,65.74
VSYS on Top: 73.71,44.2 73.71,42.85 68.22,42.85 68.22,44.2
VSYS on Route15: 61.21,68.45 61.21,64.95 67.64,64.95 67.64,42.49 71.27,42.49 71.27,68.45
Net-(J7-SHIELD) on Route2: 40.77,1.52 40.77,7.04 49.4,7.04 49.4,1.52
Net-(J21-Pin_1) on Bottom: 58.42,84.66 59.28,84.66 59.28,82.73 57.91,81.36 57.91,80.62 56.01,80.64 56.01,82.7 56.41,83.11 58.04,83.11 58.42,83.49
Net-(J21-Pin_3) on Bottom: 59.44,82.5 60.38,82.5 60.99,81.89 60.99,80.44 62.97,80.42 62.97,83.54 62.66,83.85 60.4,83.85 60.4,84.66 59.44,84.66
Net-(U7-SW1) on Top: 57.18,67.03 54.18,67.03 54.18,63.2 60.3,63.2 60.3,64.52 58.52,66.45 58.52,69.55 57.18,69.55
Net-(U8-PMID_1) on Bottom: 57.3,86.59 53.29,86.59 52.02,85.32 52.02,80.75 52.86,80.75 52.86,83.85 54.71,85.7 57.3,85.7
Net-(U8-SW_1) on Bottom: 58.29,84.66 55.6,84.66 53.97,83.03 53.97,80.64 55.88,80.64 55.88,82.75 56.36,83.24 57.99,83.24 58.29,83.54

## Text on the board
B.Silkscreen: 1 | 10 | SCL IMU | SDA / IMU | SDA / PWR | VBATT | GND | 3.3V | SDA3 | SCL3 | SCL PWR | I2C BUS / PROTECTION | Z+ SOLAR PANEL | MOSI | SCK | MISO | PB04 | AIN2 | PB05 | DAC0 | PB06 | PB30 | - | VDD | IO2 | TXEN | RXEN | + | BUSY | RST | CS | IO1 | HIGH SIDE / SWITCHES | LOW SIDE / SWITCH | POWER OUT | BATTERIES | RTC / BATTERY BACKUP / CR1225 | VUSB | VCHRG | MODULAR / RADIO | mainboard.v1
F.Silkscreen: 3.3V | GND | VBATT | 1 | 10 | SDA2 | SCL2 | SDA1 | SCL1 | EN | CS | MOSI | SCK | MISO | ALRT | CSTAT | DSTAT | SPI BUS / PROTECTION / RADIO | SDA / RTC | SCL / RTC | VUSB | VCHRG | SDA3 | SCL3 | BURN_EN4 | BURN_EN3 | BURN_EN2 | BURN_EN1 | BURN_RELAY | X+ SOLAR PANEL | MAINBOARD RGB | MAINBOARD USB-C | RF RGB | Z- SOLAR PANEL | Y- SOLAR PANEL | CHRG | BURNWIRE CONTROL | RF MCU USB-C | X- SOLAR PANEL | BATTERYBOARD | JETSON | Y+ SOLAR PANEL | I2C BUS / PROTECTION | SENSE | RF | PB04 | AIN2 | PB05 | DAC0 | PB30 | SET | TR | ~{MAINBOARD SWD} | ~{RESET} | ~{RF SWD} | V | RGB | + | - | LOW SIDE / SWITCH | POWER OUT | BATTERIES | ARGUS-1 Cubesat / Carnegie Mellon University / Mainboard v1 | mainboard.v1
